# KiCad board poly_kb_molecule_7x5_wave_left.kicad_pcb (continued)
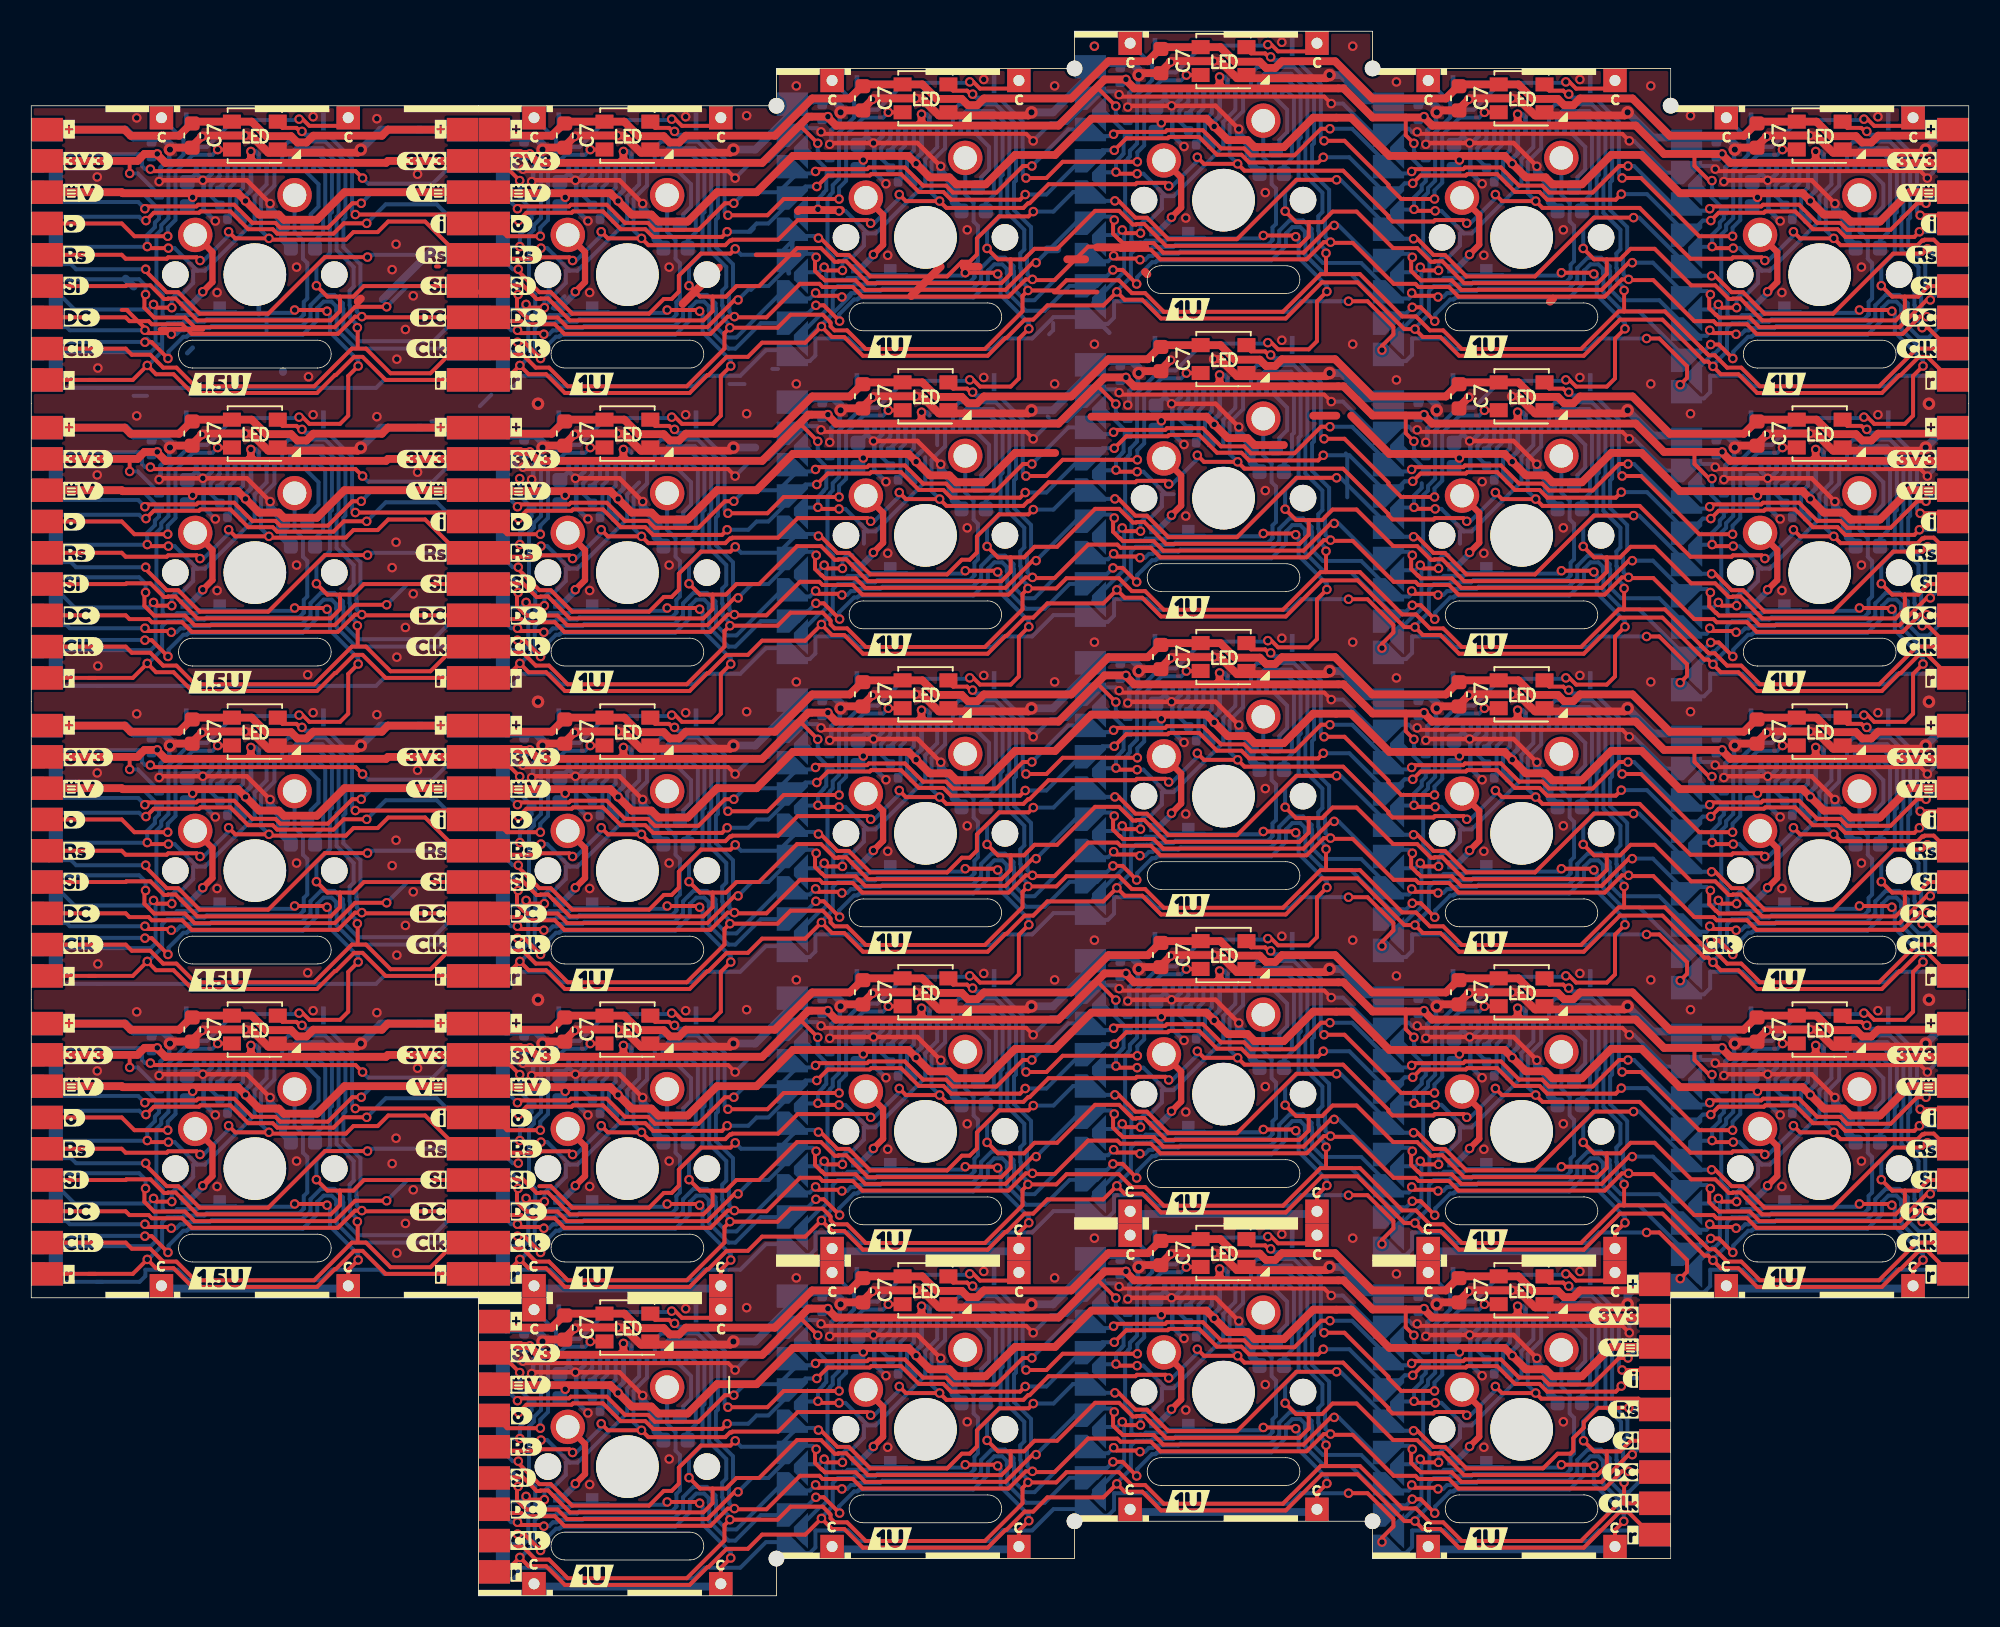
[diagram p0: board, top side]
## Routing (per net, layer and track width the routed paths; a pad name or vN(x,y) marks a point on that pad's centre or on a via; arc(x,y) is an arc through that point) (continued)

## Copper pours and planes (outline as drawn; the poured copper is in the pictures)
/Keyboard/sheet605ED2EB/GND on Top: 155.57,-17.08 -3.18,-17.08 -3.18,107.31 155.57,107.31
/Keyboard/sheet605ED2EB/GND on Bottom: 161.93,-16.95 -6.16,-16.95 -6.16,105.41 161.93,105.41

## Text on the board
B.Silkscreen: C3 | by / thpoll | c | .1 | 8 | DispPort | 16 | 1 | 2 | 3 | 4 | 5 | 6 | 7 | CS | . | ATOM2 | POLYKB
User.Comments: JLCJLCJLCJLC | CUT OUT
F.Silkscreen: L | E | D | c
